# KiCad board PCA20073_Tiny_Board_Panel.kicad_pcb (continued)
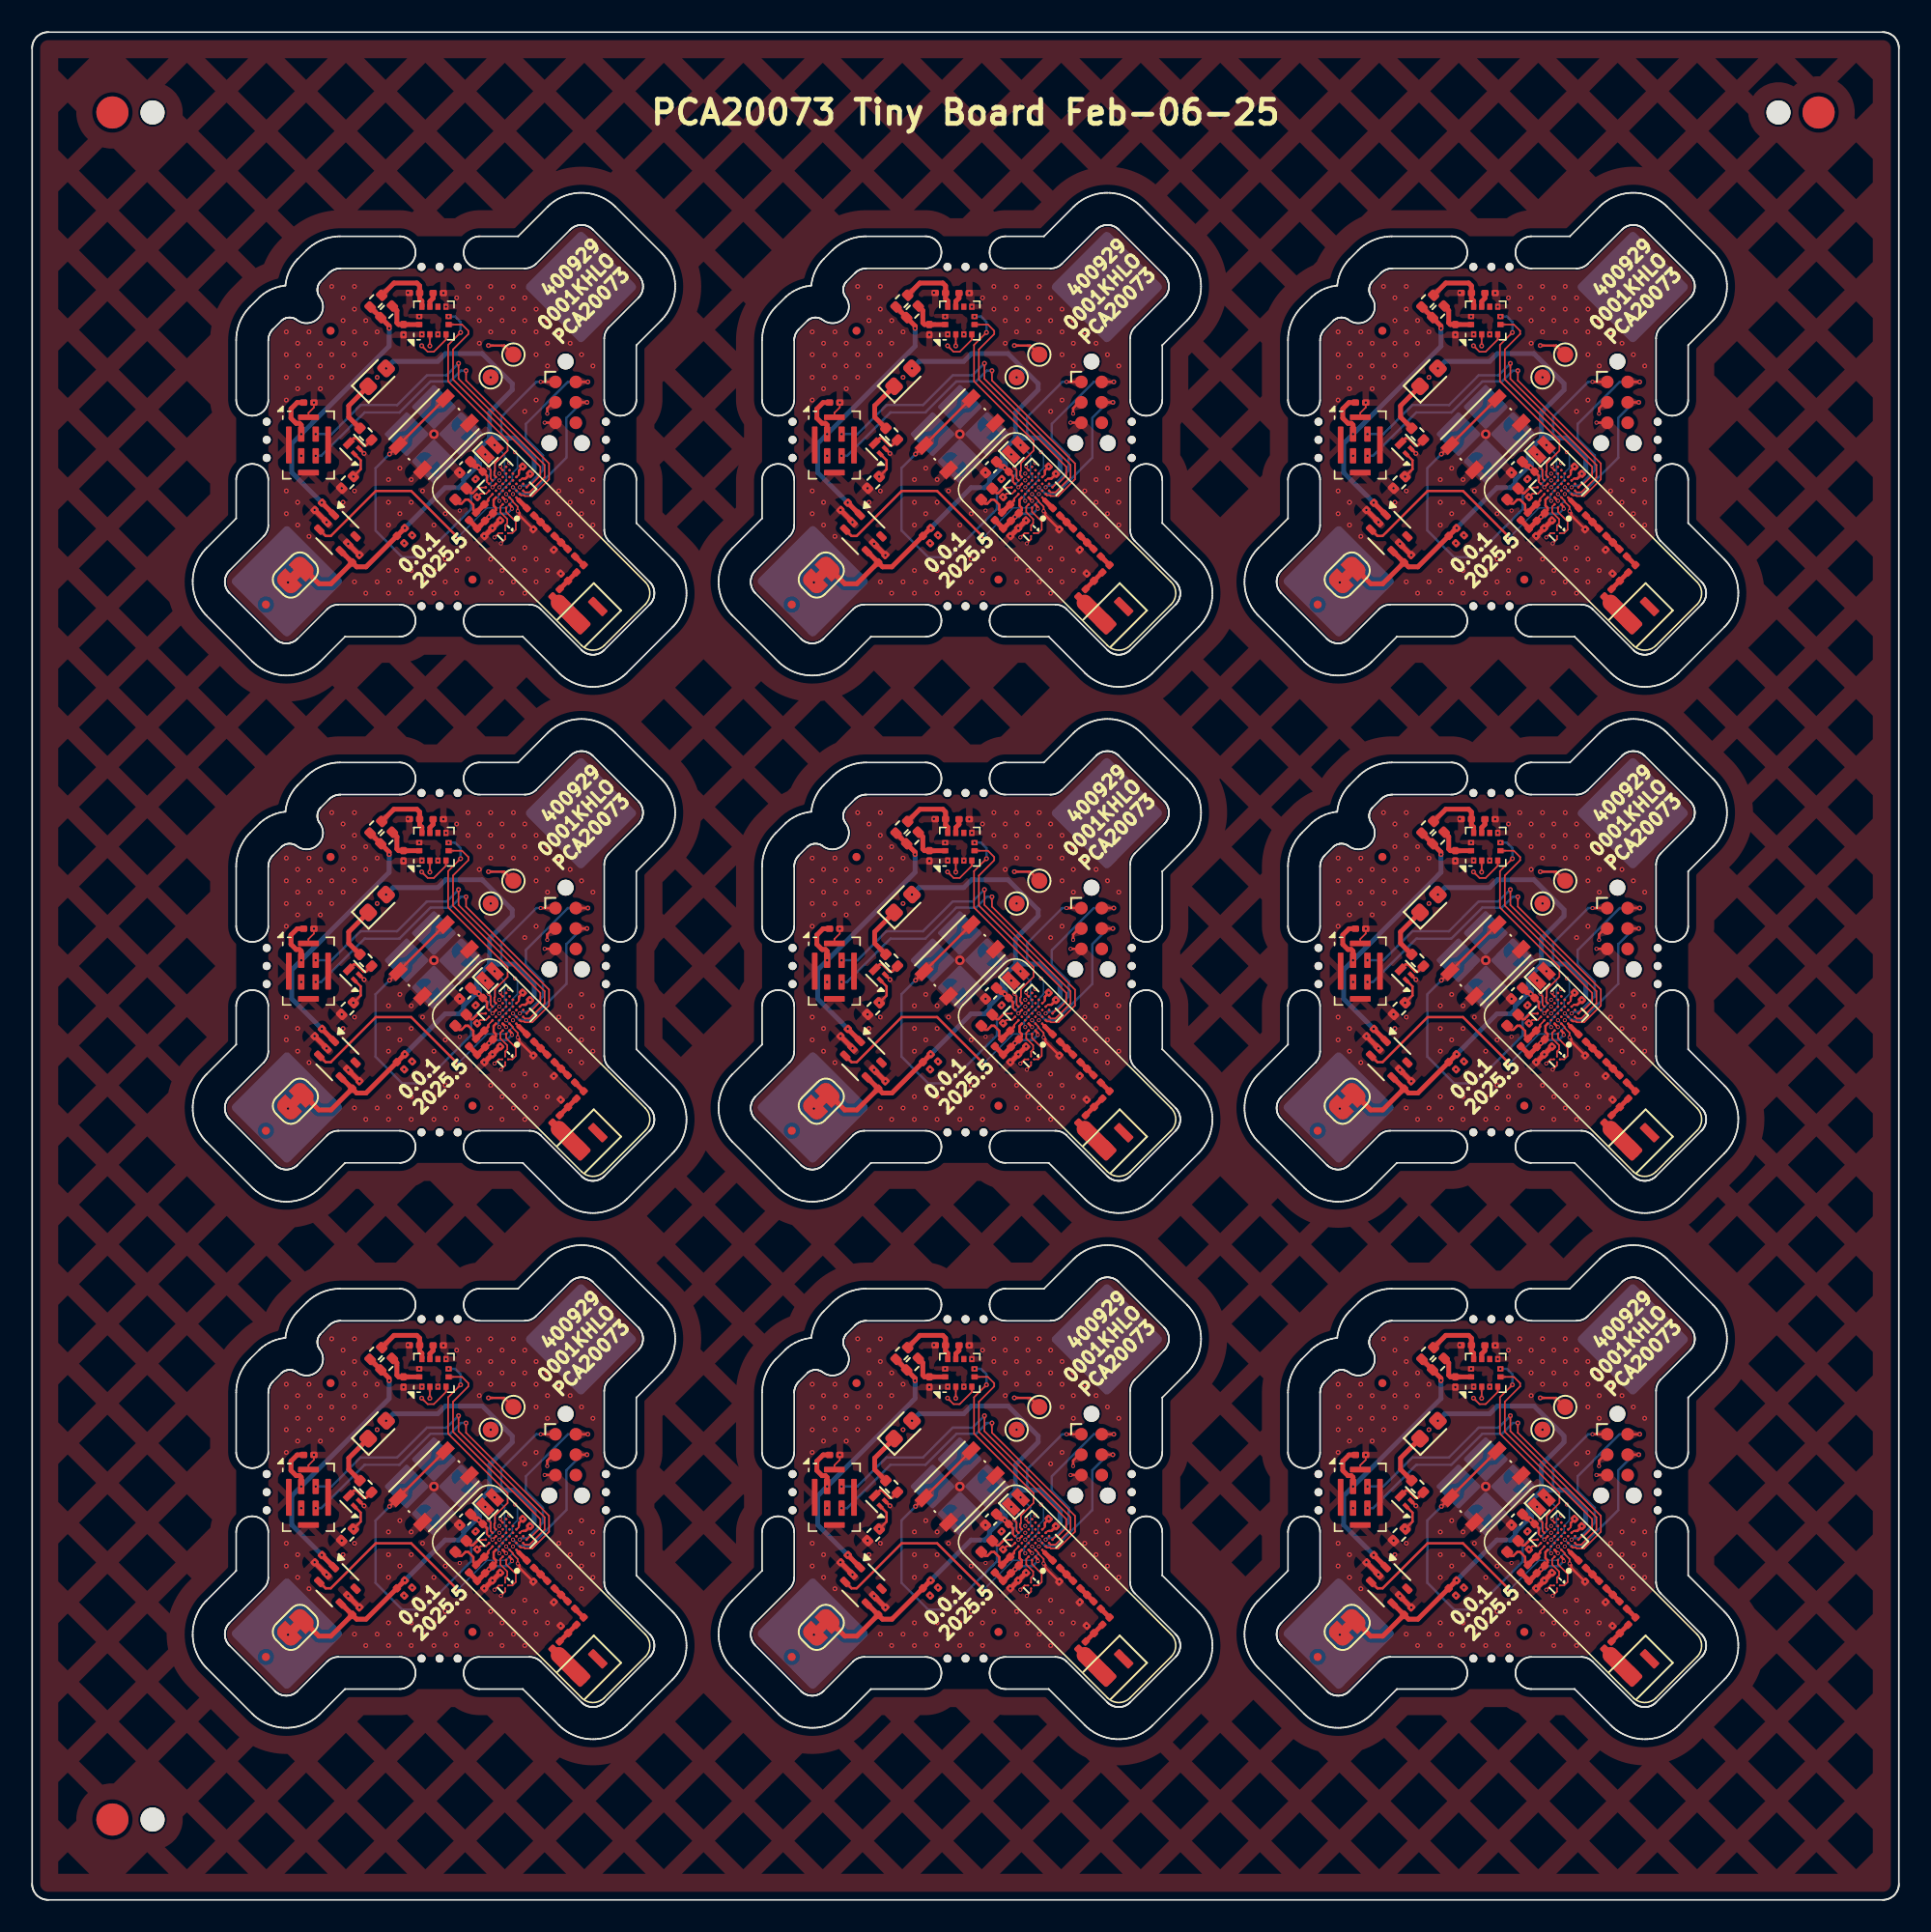
[diagram p0: board, top side]
## Routing (per net, layer and track width the routed paths; a pad name or vN(x,y) marks a point on that pad's centre or on a via; arc(x,y) is an arc through that point) (continued)
Board_6-/LFCLK1: length 2.8
  Top w0.075: 28.67,22.42 28.67,22.4
  Top w0.1: 6U1.C6 v1(28.67,22.42)
  Bottom w0.1: v1(28.67,22.42) 28.54,22.55 28.54,22.67 28.82,22.95 28.82,23.87 v1(28.22,24.46)
Board_6-/LSW: length 16.3
  Top w0.075: v1(29.52,22) 29.52,21.98 29.52,21.98
  Top w0.15: 6U2.3 18.28,19.39 18.6,19.39 21.4,22.19 23.61,22.19 26.39,19.41 v2(26.39,19.19)
  Bottom w0.1: v2(26.39,19.19) 28.34,21.14 29.5,21.14 29.87,21.51 29.87,21.65 v1(29.52,22)
Board_6-/PDM_CLK: length 22.8
  Top w0.1: 6U1.E1 30.44,21.92 30.64,21.92 30.68,21.87 31.15,21.87 32.19,22.91 32.19,23.9 27.02,29.07 v2(27.02,29.68)
  Bottom w0.15: v2(27.02,29.68) 26.7,29.68 26.03,29.01 24.81,29.01 22.88,27.08 20.7,27.08 18,24.38 v1(17.66,24.38)
Board_6-/PDM_DATA: length 21.8
  Top w0.1: 6U1.F1 30.68,22.11 30.97,22.11 31.92,23.05 31.92,23.81 26.56,29.17 v2(26.56,30.13)
  Bottom w0.15: v1(17.66,25.73) 18.64,25.73 20.45,27.54 22.73,27.54 24.58,29.39 25.81,29.39 v2(26.56,30.13)
Board_6-/SCL: length 28.8
  Top w0.075: 29.31,23.47 29.31,23.47 6U1.F7
  Top w0.1: v1(29.15,23.73) 29.15,23.64 6U1.F7 ; v2(24.26,31.23) 24.63,30.85 25.01,30.85 25.77,31.61 6U3.4
  In2.Cu w0.1: 23.54,19.31 23.47,19.24 23.47,19.1 23.68,18.9 23.68,18.57 23.22,18.12 22.66,18.12 21.05,19.72 21.05,27.77 24.26,30.97 v2(24.26,31.23) ; 23.54,19.31 23.79,19.31 23.8,19.3 24.18,19.3 24.46,19.58 26.41,19.58 28.79,21.96 29.06,21.96 29.43,22.33 29.43,23.19 29.36,23.26 29.36,23.53 v1(29.15,23.73) ; 23.54,19.31 v2(23.66,19.43)
  In2.Cu w0.15: v2(23.66,19.43) 23.8,19.3
Board_6-/SDA: length 24.8
  Top w0.1: 6U3.2 24.77,31.22 v2(24.77,31.22) ; 29.09,22.85 29.09,22.83
  In2.Cu w0.1: v2(23.17,18.94) 23.37,18.73 23.37,18.62 23.2,18.44 22.67,18.44 21.35,19.77 21.35,27.66 24.77,31.07 v2(24.77,31.22)
  In2.Cu w0.15: v2(23.17,18.94) 23.03,19.08 23.03,19.25 23.63,19.86 23.63,20.17 25.93,22.47 27.57,22.47 27.95,22.84 29.09,22.84 v1(29.09,22.85)
Board_6-/UART_RX: length 13.6
  Top w0.15: v2(28.41,31.24) 29.4,31.24 6TP2.1
  In2.Cu w0.15: v2(28.41,31.24) 29.4,31.24 30.23,30.42 30.23,24.76 v1(30.08,24.6)
  Bottom w0.1: v1(30.08,24.6) 30.23,24.46 30.23,23.62 29.9,23.3 29.9,22.87 29.2,22.17 29.2,22.1 29.03,21.93 29.03,21.83 29.03,21.89 29.03,21.64 v1(29.09,21.57)
Board_6-/UART_TX: length 7.1
  In2.Cu w0.15: v1(29.09,23.27) 29.08,23.27 28.85,23.5 28.85,23.84 29.9,24.89 29.9,27.92 v2(28.56,29.26)
Board_6-GND: length 11.3
  Top w0.1: v1(17.55,27.69) 17.55,27.39 17.21,27.05 6MK1.5 ; 6U1.A6 28.26,22.02 27.92,22.02 v1(27.71,21.81) ; 6Y2.2 29.46,19.19 v1(29.19,18.93) ; v1(28.79,19.3) 29.06,19.57 6Y2.3 ; v1(30.24,20.93) 30.24,21.22 29.94,21.52 29.94,21.58 6U1.C2 ; 30.15,23.04 30.32,23.2 30.32,23.29
  Top w0.15: v2(31.22,19.8) 30.35,20.67 30.35,20.83 v1(30.24,20.93) ; 30.32,23.29 30.32,23.46 30.59,23.74 30.59,23.75 ; 6J1.5 32.58,26.44 v1(31.92,26.44) ; 19.29,22.33 19.28,22.35 v2(19.28,22.36) ; v2(20.67,24.53) 6Q1.2
  Top w0.3: v2(19.68,18.9) v2(20.39,18.2) ; v1(29.15,20.37) v1(28.67,19.88) ; v1(28.67,19.88) 28.17,19.38 v1(28.16,19.38) ; v1(28.67,19.88) 6C12.2 ; v2(18.34,20.25) 18.34,20.26 v2(17.59,21.01)
  vias: v1(16.76,24.38) v1(26.63,20.97) v1(27.62,22.93) v1(29.72,23.93) v1(30.55,23.71) v2(15.83,32.09) v2(15.83,30.68) v2(15.83,29.26) v2(15.83,27.85) v2(15.83,22.19) v2(15.83,20.78) v2(16.54,31.38) v2(16.54,29.97) v2(16.54,28.56) v2(16.54,21.49) v2(16.54,20.07) v2(17.24,32.09) v2(17.24,30.68) v2(17.24,29.26) v2(17.24,19.36) v2(17.95,31.38) v2(17.95,29.97) v2(17.95,28.56) v2(18.66,34.92) v2(18.66,30.68) v2(18.66,29.26) v2(19.36,34.21) v2(19.36,32.8) v2(19.36,31.38) v2(19.36,29.97) v2(19.36,21.49) v2(20.07,34.92) v2(20.07,33.51) v2(20.07,32.09) v2(20.07,30.68) v2(20.07,22.19) v2(20.07,16.54) v2(20.78,32.8) v2(20.78,31.38) v2(20.78,15.83) v2(21.49,32.09) v2(21.49,29.26) v2(21.49,16.54) v2(22.19,22.9) v2(22.19,21.49) v2(22.19,20.07) v2(22.19,17.24) v2(22.19,15.83) v2(22.9,23.61) v2(22.9,20.78) v2(22.9,16.54) v2(23.13,31.91) v2(23.41,34.53) v2(23.61,22.9) v2(23.61,21.49) v2(23.61,17.24) v2(23.61,15.83) v2(24.11,33.05) v2(24.27,31.94) v2(24.31,22.19) v2(24.31,16.54) v2(25.02,20.07) v2(25.02,17.24) v2(25.02,15.83) v2(25.27,31.94) v2(25.61,34.51) v2(25.77,33.66) v2(25.73,20.78) v2(25.73,17.95) v2(25.73,16.54) v2(26.44,34.21) v2(26.44,17.24) v2(26.44,15.83) v2(26.63,23.33) v2(27.14,34.92) v2(27.14,33.51) v2(27.14,17.95) v2(27.85,34.21) v2(27.85,32.8) v2(27.85,31.38) v2(28.56,34.92) v2(28.56,33.51) v2(28.56,32.09) v2(28.56,17.95) v2(28.56,16.54) v2(29.26,34.21) v2(29.26,32.8) v2(29.26,17.24) v2(29.26,15.83) v2(29.97,34.92) v2(29.97,33.51) v2(29.97,32.09) v2(29.97,17.95) v2(29.97,16.54) v2(30.68,34.21) v2(30.68,32.8) v2(30.68,27.14) v2(30.68,18.66) v2(30.68,17.24) v2(30.68,15.83) v2(31.38,33.51) v2(31.38,32.09) v2(31.38,30.68) v2(31.38,27.85) v2(31.38,17.95) v2(31.38,16.54) v2(32.09,32.8) v2(32.09,31.38) v2(32.09,29.97) v2(32.09,21.49) v2(32.09,17.24) v2(32.49,18.53) v2(32.8,32.09) v2(32.8,22.19) v2(32.8,20.78) v2(32.92,17.05) v2(33.51,31.38) v2(33.51,22.9) v2(33.51,21.49) v2(33.51,20.07) v2(34.21,30.68) v2(34.21,23.61) v2(34.21,22.19) v2(34.21,20.78) v2(34.21,19.36) v2(34.92,29.97) v2(34.92,22.9) v2(34.92,21.49) v2(34.92,20.07) v3(25.02,25.73)
Board_6-Net-(AE1-PCB_Trace): length 1.9
  Top w1: 6AE1.2 32.8,15.23
Board_6-Net-(BT1-+):
  vias: v2(15.93,16.5)
Board_6-Net-(C6-Pad1): length 1.2
  Top w0.293: 31.25,20.67 32.07,19.85
Board_6-Net-(C9-Pad1): length 1.2
  Top w0.293: 32.53,19.4 33.35,18.58
Board_6-Net-(D1-K): length 3.4
  Top w0.3: 6R1.1 19.72,26.79 19.72,27.5 6D1.1
Board_6-Net-(J1-SWCLK): length 9.3
  Top w0.15: 6J1.4 v2(34.55,27.71)
  Bottom w0.15: v2(34.55,27.71) 34.24,27.71 33.27,26.74 33.27,24.26 31.04,22.03 30.33,22.03 29.94,22.42 v1(29.94,22.42)
Board_6-Net-(J1-SWDIO): length 10.9
  Top w0.15: 6J1.2 33.86,28.98 v2(34.61,28.98)
  Bottom w0.15: v1(30.37,22.42) 30.38,22.42 30.48,22.52 30.85,22.52 31.81,23.48 31.81,24.4 30.75,25.46 30.75,26.36 33.36,28.98 v2(34.61,28.98)
Board_6-Net-(J1-~{RESET}): length 8.1
  Top w0.15: 6J1.3 32.45,27.71 32.08,27.34 v1(32.08,27) ; 29.94,21.98 v1(29.94,22)
  In2.Cu w0.15: v1(32.08,27) 31.71,27 31.46,26.75 31.46,25.83 30.97,25.34 30.97,24.6 31.77,23.8 31.77,23.27 30.58,22.08 30.02,22.08 v1(29.94,22)
Board_6-Net-(JP2-A): length 2.6
  Top w0.3: 6JP2.1 22.72,33.42 22.72,32.66 22.82,32.55 6C16.1 23.13,32.55 6U3.12 24.1,32.55
Board_6-Net-(JP3-A): length 4.1
  Top w0.3: 6U3.10 24.27,34.02 24.13,34.15 6C17.1 24.13,34.96 23.96,35.13 22.53,35.13 6JP3.1
Board_6-Net-(L4-Pad2): length 0.8
  Top w0.293: 33.8,18.12 34.34,17.58
Board_6-Net-(L18-Pad1): length 1.5
  Top w0.293: 33.89,17.13 32.85,16.09
Board_6-Net-(Q1-D): length 1.9
  Top w0.15: 6Q1.3 20.04,25.48 20.18,25.48 20.64,25.02 20.79,25.02 6R1.2
Board_6-Net-(U1-ANT): length 0.9
  Top w0.1: 30.3,21.62 30.16,21.77 30.17,21.78
  Top w0.293: 6L2.1 30.3,21.62 30.3,21.62
Board_6-Net-(U1-DCC): length 1.5
  Top w0.1: 28.25,22.4 27.78,22.4 27.76,22.38
  Top w0.15: 6L1.2 27.32,22.07 27.44,22.07 27.76,22.38
Board_6-Net-(U1-DECA): length 5.3
  Top w0.15: 6U1.A4 28.74,21.64 28.74,21.27 28.87,21.14 28.87,20.99 6C5.1 ; v1(29.88,21.08) 29.88,21.2 29.73,21.34
  Top w0.3: 6C5.1 v1(28.45,20.57) 27.72,19.84 6C2.1 27.7,19.88 6FB1.1
  Bottom w0.15: v1(29.88,21.08) 29.57,20.77 28.9,20.77 28.7,20.57 v1(28.45,20.57)
Board_6-Net-(U1-DECD): length 3.6
  Top w0.1: 28.67,21.98 28.4,21.71 28.4,21.65
  Top w0.15: 6L1.1 26.6,21.41 26.74,21.41 26.99,21.65 27.16,21.65 27.47,21.34 27.47,21.01 6FB1.2 ; 28.4,21.65 28.4,21.59 6C1.1
  Top w0.3: 6FB1.2 6C1.1
Board_6-Net-(U1-P1.00): length 3.1
  Top w0.1: 29.09,22.4 29.1,22.41 v1(29.1,22.42)
  Bottom w0.1: v1(29.1,22.42) 29.53,22.86 29.53,23.15 29.43,23.26 29.43,24.42 v1(28.8,25.05)
Board_6-Net-(U1-XC1): length 2.2
  Top w0.1: 6Y2.1 29.64,19.57 29.91,19.57 30.12,19.78 30.12,20.29 29.52,20.89 6U1.A1
Board_6-Net-(U1-XC2): length 1.9
  Top w0.1: 6U1.A2 29.16,21.21 29.16,20.87 29.59,20.44 29.59,20.18 29.46,20.05 6Y2.4
Board_6-Net-(U3-V_{REG_OUT}): length 0.9
  Top w0.3: 6C15.1 24.97,34.19 24.77,33.99 6U3.9
Board_6-unconnected-(U1-P1.03-PadD5): length 0
  Top w0.1: 6U1.D5 29.31,22.62
Board_6-VDD: length 45.3
  Top w0.1: 30.57,22.96 30.5,22.96 30.37,22.83 ; 28.46,22.62 28.32,22.75 28.32,22.82
  Top w0.15: 6J1.1 32.59,28.98 v1(31.67,28.98) ; 30.57,22.96 30.73,22.96 31.05,23.28 31.05,23.3 ; 28.32,22.82 28.32,23.13 6C11.1
  Top w0.3: 6C3.1 20.21,17.47 20.79,17.47 v2(23.21,19.89) ; 6C3.1 18.61,16.42 17.86,16.42 6JP1.2 ; 6C3.1 19.24,18.44 6U2.4 ; 6C11.1 v2(27.82,23.63) 27.73,23.73 27.59,23.73 6C10.1
  Bottom w0.15: 29.47,25.49 29.46,25.49 29.22,25.73 ; 29.22,25.73 29.22,26.8 31.4,28.98 v1(31.67,28.98) ; 29.22,25.73 29.22,25.49 ; 29.22,25.73 29.22,25.69 29.02,25.49
  Bottom w0.3: 28.49,25.87 28.49,25.47 ; 28.49,25.87 28.49,27.07 29.9,28.49 29.9,28.87 28.03,30.74 25.75,30.74 25.26,30.25 22.48,30.25 v2(22.04,29.82) ; 28.49,25.87 28.49,25.79 28.74,25.54 28.74,25.49 ; v2(23.21,19.89) 25.72,22.4 26.58,22.4 26.87,22.68 26.87,22.89 27.61,23.63 ; 27.86,23.9 27.86,23.67 v2(27.82,23.63) 27.61,23.63 ; 27.86,23.9 27.67,24.08 27.67,24.66 28.49,25.47 ; 27.86,23.9 27.86,23.78 27.71,23.63 27.61,23.63 ; 31.06,23.3 31.26,23.49 31.26,24.29 30.05,25.49 28.74,25.49 ; 28.74,25.49 28.51,25.49 28.49,25.47
  vias: v2(31.01,23.26)
Board_7-/BUTTON0: length 21.9
  Top w0.1: v1(61.17,23.66) 61.17,23.62 61.31,23.49 61.31,22.96 7U1.C7
  Top w0.15: v2(55.01,24.49) 7SW1.1 7SW1.1
  Bottom w0.15: v2(55.01,24.49) 54.13,23.61 54.13,19.73 55.8,18.06 57.08,18.06 59.85,20.83 60.08,21.07 60.08,22.02 61.28,23.21 61.28,23.55 v1(61.17,23.66)
Board_7-/INT1: length 14.2
  Top w0.1: 7U1.G1 63.73,22.62 63.85,22.62 64.4,23.16 64.4,23.7 58.96,29.14 58.96,31 59.91,31.96 59.91,32.16 59.52,32.55 7U3.5
Board_7-/INT2: length 12.8
  Top w0.1: 7U1.D7 61.52,23.17 61.52,23.4 61.57,23.45 61.57,23.92 62.36,24.7 62.36,25.31 58.65,29.02 58.65,31.28 v2(59.43,32.06)
  Bottom w0.15: v2(59.43,32.06) 59.43,32.71 59.09,33.05 v2(58.68,33.05)
Board_7-/LED: length 17.8
  Top w0.15: v2(52.75,23.08) 53.21,23.54 53.21,24.1 7Q1.1 ; 7U1.B3 62.27,21.58 v1(62.27,21.57)
  In2.Cu w0.15: v2(52.75,23.08) 53.43,22.4 53.43,19.65 55.27,17.82 56.11,17.82 57.52,19.23 58.48,19.23 58.96,18.75 59.56,18.75 60.52,19.71 60.52,20.43 61.26,21.17 61.87,21.17 v1(62.27,21.57)
Board_7-/LFCLK1: length 2.8
  Top w0.075: 61.42,22.42 61.42,22.4
  Top w0.1: 7U1.C6 v1(61.42,22.42)
  Bottom w0.1: v1(60.97,24.46) 61.57,23.87 61.57,22.95 61.29,22.67 61.29,22.55 v1(61.42,22.42)
Board_7-/LSW: length 16.3
  Top w0.075: v1(62.27,22) 62.27,21.98
  Top w0.15: v2(59.13,19.19) 59.13,19.41 56.36,22.19 54.15,22.19 51.35,19.39 51.02,19.39 7U2.3
  Bottom w0.1: v2(59.13,19.19) 61.09,21.14 62.25,21.14 62.62,21.51 62.62,21.65 v1(62.27,22)
Board_7-/PDM_CLK: length 22.8
  Top w0.1: v2(59.77,29.68) 59.77,29.07 64.94,23.9 64.94,22.91 63.9,21.87 63.43,21.87 63.38,21.92 63.19,21.92 7U1.E1
  Bottom w0.15: v2(59.77,29.68) 59.45,29.68 58.78,29.01 57.56,29.01 55.63,27.08 53.45,27.08 50.75,24.38 v1(50.41,24.38)
Board_7-/PDM_DATA: length 21.8
  Top w0.1: 7U1.F1 63.43,22.11 63.72,22.11 64.66,23.05 64.66,23.81 59.3,29.17 v2(59.3,30.13)
  Bottom w0.15: v1(50.41,25.73) 51.39,25.73 53.2,27.54 55.48,27.54 57.33,29.39 58.56,29.39 v2(59.3,30.13)
Board_7-/SCL: length 28.8
  Top w0.075: 62.05,23.47 62.06,23.47 7U1.F7
  Top w0.1: 7U3.4 58.52,31.61 57.76,30.85 57.38,30.85 v2(57.01,31.23) ; 7U1.F7 61.9,23.64 v1(61.9,23.73)
  In2.Cu w0.1: v2(56.41,19.43) 56.28,19.31 ; 56.28,19.31 56.22,19.24 56.22,19.1 56.43,18.9 56.43,18.57 55.97,18.12 55.41,18.12 53.8,19.72 53.8,27.77 57.01,30.97 v2(57.01,31.23) ; 56.28,19.31 56.54,19.31 56.55,19.3 56.93,19.3 57.2,19.58 59.16,19.58 61.54,21.96 61.81,21.96 62.17,22.33 62.17,23.19 62.11,23.26 62.11,23.53 v1(61.9,23.73)
  In2.Cu w0.15: v2(56.41,19.43) 56.55,19.3
Board_7-/SDA: length 24.8
  Top w0.1: v1(61.84,22.85) 61.84,22.83 ; 7U3.2 57.52,31.22 v2(57.51,31.22)
  In2.Cu w0.1: v2(55.92,18.94) 56.12,18.73 56.12,18.62 55.95,18.44 55.42,18.44 54.1,19.77 54.1,27.66 57.51,31.07 v2(57.51,31.22)
  In2.Cu w0.15: v1(61.84,22.85) 61.84,22.84 60.7,22.84 60.32,22.47 58.68,22.47 56.38,20.17 56.38,19.86 55.78,19.25 55.78,19.08 v2(55.92,18.94)
Board_7-/UART_RX: length 13.6
  Top w0.15: 7TP2.1 62.15,31.24 v2(61.16,31.24)
  In2.Cu w0.15: v1(62.83,24.6) 62.98,24.76 62.98,30.42 62.15,31.24 v2(61.16,31.24)
  Bottom w0.1: v1(61.84,21.57) 61.78,21.64 61.78,21.89 61.78,21.83 61.78,21.93 61.95,22.1 61.95,22.17 62.65,22.87 62.65,23.3 62.97,23.62 62.97,24.46 v1(62.83,24.6)
Board_7-/UART_TX: length 7.1
  In2.Cu w0.15: v2(61.31,29.26) 62.65,27.92 62.65,24.89 61.59,23.84 61.59,23.5 61.83,23.27 v1(61.84,23.27)
Board_7-GND: length 11.3
  Top w0.1: 7U1.C2 62.68,21.58 62.68,21.52 62.99,21.22 v1(62.99,20.93) ; v1(61.94,18.93) 62.21,19.19 7Y2.2 ; 63.07,23.29 63.07,23.2 62.9,23.04 ; 7Y2.3 61.8,19.57 v1(61.54,19.3) ; v1(60.46,21.81) 60.67,22.02 61.01,22.02 7U1.A6 ; 7MK1.5 49.96,27.05 50.3,27.39 v1(50.3,27.69)
  Top w0.15: 63.34,23.75 63.34,23.74 63.07,23.46 63.07,23.29 ; 7J1.5 65.33,26.44 v1(64.66,26.44) ; v2(53.42,24.53) 7Q1.2 ; 52.04,22.33 52.03,22.35 v2(52.03,22.36) ; v1(62.99,20.93) 63.09,20.83 63.09,20.67 v2(63.96,19.8)
  Top w0.3: v1(60.9,19.38) 60.92,19.38 v1(61.41,19.88) ; v1(61.41,19.88) v1(61.9,20.37) ; v1(61.41,19.88) 7C12.2 ; v2(50.34,21.01) 51.09,20.26 v2(51.09,20.25) ; v2(52.43,18.9) v2(53.14,18.2)
  vias: v1(49.51,24.38) v1(59.37,20.97) v1(60.37,22.93) v1(62.46,23.93) v1(63.3,23.71) v2(48.58,32.09) v2(48.58,30.68) v2(48.58,29.26) v2(48.58,27.85) v2(48.58,22.19) v2(48.58,20.78) v2(49.28,31.38) v2(49.28,29.97) v2(49.28,28.56) v2(49.28,21.49) v2(49.28,20.07) v2(49.99,32.09) v2(49.99,30.68) v2(49.99,29.26) v2(49.99,19.36) v2(50.7,31.38) v2(50.7,29.97) v2(50.7,28.56) v2(51.41,34.92) v2(51.41,30.68) v2(51.41,29.26) v2(52.11,34.21) v2(52.11,32.8) v2(52.11,31.38) v2(52.11,29.97) v2(52.11,21.49) v2(52.82,34.92) v2(52.82,33.51) v2(52.82,32.09) v2(52.82,30.68) v2(52.82,22.19) v2(52.82,16.54) v2(53.53,32.8) v2(53.53,31.38) v2(53.53,15.83) v2(54.23,32.09) v2(54.23,29.26) v2(54.23,16.54) v2(54.94,22.9) v2(54.94,21.49) v2(54.94,20.07) v2(54.94,17.24) v2(54.94,15.83) v2(55.65,23.61) v2(55.65,20.78) v2(55.65,16.54) v2(55.87,31.91) v2(56.16,34.53) v2(56.36,22.9) v2(56.36,21.49) v2(56.36,17.24) v2(56.36,15.83) v2(56.86,33.05) v2(57.02,31.94) v2(57.06,22.19) v2(57.06,16.54) v2(57.77,20.07) v2(57.77,17.24) v2(57.77,15.83) v2(58.02,31.94) v2(58.36,34.51) v2(58.52,33.66) v2(58.48,20.78) v2(58.48,17.95) v2(58.48,16.54) v2(59.18,34.21) v2(59.18,17.24) v2(59.18,15.83) v2(59.37,23.33) v2(59.89,34.92) v2(59.89,33.51) v2(59.89,17.95) v2(60.6,34.21) v2(60.6,32.8) v2(60.6,31.38) v2(61.31,34.92) v2(61.31,33.51) v2(61.31,32.09) v2(61.31,17.95) v2(61.31,16.54) v2(62.01,34.21) v2(62.01,32.8) v2(62.01,17.24) v2(62.01,15.83) v2(62.72,34.92) v2(62.72,33.51) v2(62.72,32.09) v2(62.72,17.95) v2(62.72,16.54) v2(63.43,34.21) v2(63.43,32.8) v2(63.43,27.14) v2(63.43,18.66) v2(63.43,17.24) v2(63.43,15.83) v2(64.13,33.51) v2(64.13,32.09) v2(64.13,30.68) v2(64.13,27.85) v2(64.13,17.95) v2(64.13,16.54) v2(64.84,32.8) v2(64.84,31.38) v2(64.84,29.97) v2(64.84,21.49) v2(64.84,17.24) v2(65.24,18.53) v2(65.55,32.09) v2(65.55,22.19) v2(65.55,20.78) v2(65.67,17.05) v2(66.25,31.38) v2(66.25,22.9) v2(66.25,21.49) v2(66.25,20.07) v2(66.96,30.68) v2(66.96,23.61) v2(66.96,22.19) v2(66.96,20.78) v2(66.96,19.36) v2(67.67,29.97) v2(67.67,22.9) v2(67.67,21.49) v2(67.67,20.07) v3(57.77,25.73)
Board_7-Net-(AE1-PCB_Trace): length 1.9
  Top w1: 7AE1.2 65.55,15.23
Board_7-Net-(BT1-+):
  vias: v2(48.68,16.5)
Board_7-Net-(C6-Pad1): length 1.2
  Top w0.293: 64,20.67 64.82,19.85
Board_7-Net-(C9-Pad1): length 1.2
  Top w0.293: 65.28,19.4 66.1,18.58
Board_7-Net-(D1-K): length 3.4
  Top w0.3: 7R1.1 52.47,26.79 52.47,27.5 7D1.1
Board_7-Net-(J1-SWCLK): length 9.3
  Top w0.15: 7J1.4 v2(67.3,27.71)
  Bottom w0.15: v2(67.3,27.71) 66.99,27.71 66.02,26.74 66.02,24.26 63.79,22.03 63.08,22.03 62.69,22.42 v1(62.69,22.42)
Board_7-Net-(J1-SWDIO): length 10.9
  Top w0.15: v2(67.36,28.98) 66.61,28.98 7J1.2
  Bottom w0.15: v1(63.12,22.42) 63.13,22.42 63.23,22.52 63.6,22.52 64.56,23.48 64.56,24.4 63.5,25.46 63.5,26.36 66.11,28.98 v2(67.36,28.98)
Board_7-Net-(J1-~{RESET}): length 8.1
  Top w0.15: v1(64.83,27) 64.83,27.34 65.19,27.71 7J1.3 ; 62.69,21.98 v1(62.69,22)
  In2.Cu w0.15: v1(62.69,22) 62.77,22.08 63.33,22.08 64.52,23.27 64.52,23.8 63.72,24.6 63.72,25.34 64.2,25.83 64.2,26.75 64.46,27 v1(64.83,27)
Board_7-Net-(JP2-A): length 2.6
  Top w0.3: 56.85,32.55 7U3.12 55.88,32.55 7C16.1 55.57,32.55 55.46,32.66 55.46,33.42 7JP2.1
Board_7-Net-(JP3-A): length 4.1
  Top w0.3: 7JP3.1 55.28,35.13 56.71,35.13 56.88,34.96 7C17.1 56.88,34.15 57.02,34.02 7U3.10
Board_7-Net-(L4-Pad2): length 0.8
  Top w0.293: 66.55,18.12 67.09,17.58
Board_7-Net-(L18-Pad1): length 1.5
  Top w0.293: 66.64,17.13 65.6,16.09
Board_7-Net-(Q1-D): length 1.9
  Top w0.15: 7Q1.3 52.78,25.48 52.93,25.48 53.39,25.02 53.54,25.02 7R1.2
Board_7-Net-(U1-ANT): length 0.9
  Top w0.1: 63.05,21.62 62.91,21.77 62.91,21.78
  Top w0.293: 7L2.1 63.05,21.62 63.05,21.62
Board_7-Net-(U1-DCC): length 1.5
  Top w0.1: 60.51,22.38 60.53,22.4 60.99,22.4
  Top w0.15: 60.51,22.38 60.19,22.07 60.07,22.07 7L1.2
Board_7-Net-(U1-DECA): length 5.3
  Top w0.15: 62.48,21.34 62.63,21.2 v1(62.63,21.08) ; 7U1.A4 61.49,21.64 61.49,21.27 61.62,21.14 61.62,20.99 7C5.1
  Top w0.3: 7FB1.1 60.45,19.88 7C2.1 60.47,19.84 v1(61.2,20.57) 7C5.1
  Bottom w0.15: v1(62.63,21.08) 62.32,20.77 61.65,20.77 61.45,20.57 v1(61.2,20.57)
Board_7-Net-(U1-DECD): length 3.6
  Top w0.1: 61.15,21.65 61.15,21.71 61.42,21.98
  Top w0.15: 7L1.1 59.35,21.41 59.49,21.41 59.74,21.65 59.9,21.65 60.22,21.34 60.22,21.01 7FB1.2 ; 7C1.1 61.15,21.59 61.15,21.65
  Top w0.3: 7FB1.2 7C1.1
Board_7-Net-(U1-P1.00): length 3.1
  Top w0.1: v1(61.84,22.42) 61.85,22.41 61.84,22.4
  Bottom w0.1: v1(61.84,22.42) 62.28,22.86 62.28,23.15 62.17,23.26 62.17,24.42 v1(61.55,25.05)
Board_7-Net-(U1-XC1): length 2.2
  Top w0.1: 7Y2.1 62.39,19.57 62.66,19.57 62.87,19.78 62.87,20.29 62.27,20.89 7U1.A1
Board_7-Net-(U1-XC2): length 1.9
  Top w0.1: 7U1.A2 61.91,21.21 61.91,20.87 62.34,20.44 62.34,20.18 62.21,20.05 7Y2.4
Board_7-Net-(U3-V_{REG_OUT}): length 0.9
  Top w0.3: 7U3.9 57.52,33.99 57.72,34.19 7C15.1
Board_7-unconnected-(U1-P1.03-PadD5): length 0
  Top w0.1: 62.06,22.63 62.06,22.62 62.06,22.62
Board_7-VDD: length 45.3
  Top w0.1: 63.32,22.96 63.25,22.96 63.12,22.83 ; 61.21,22.62 61.07,22.75 61.07,22.82
  Top w0.15: 63.32,22.96 63.48,22.96 63.8,23.28 63.8,23.3 ; 7C11.1 61.07,23.13 61.07,22.82 ; 7J1.1 65.33,28.98 v1(64.42,28.98)
  Top w0.3: 7JP1.2 50.61,16.42 51.36,16.42 7C3.1 ; v2(55.96,19.89) 53.54,17.47 52.96,17.47 7C3.1 ; 7C11.1 v2(60.57,23.63) 60.48,23.73 60.34,23.73 7C10.1 ; 7C3.1 51.99,18.44 7U2.4
  Bottom w0.15: 61.97,25.73 62.21,25.49 62.22,25.49 ; 61.97,25.73 61.97,26.8 64.15,28.98 v1(64.42,28.98) ; 61.97,25.73 61.97,25.69 61.77,25.49 ; 61.97,25.73 61.97,25.49
  Bottom w0.3: 61.23,25.87 61.23,25.47 ; 61.23,25.87 61.23,27.07 62.65,28.49 62.65,28.87 60.77,30.74 58.5,30.74 58.01,30.25 55.22,30.25 v2(54.79,29.82) ; 61.23,25.87 61.23,25.79 61.49,25.54 61.49,25.49 ; 61.49,25.49 62.8,25.49 64.01,24.29 64.01,23.49 63.81,23.3 ; 61.49,25.49 61.26,25.49 61.23,25.47 ; 61.23,25.47 60.42,24.66 60.42,24.08 60.61,23.9 ; 60.36,23.63 v2(60.57,23.63) 60.61,23.67 60.61,23.9 ; 60.36,23.63 60.46,23.63 60.61,23.78 60.61,23.9 ; 60.36,23.63 59.62,22.89 59.62,22.68 59.33,22.4 58.47,22.4 v2(55.96,19.89)
  vias: v2(63.76,23.26)
Board_8-/BUTTON0: length 21.9
  Top w0.1: v1(93.92,23.66) 93.92,23.62 94.05,23.49 94.05,22.96 8U1.C7
  Top w0.15: 8SW1.1 8SW1.1 v2(87.76,24.49)
  Bottom w0.15: v2(87.76,24.49) 86.88,23.61 86.88,19.73 88.55,18.06 89.83,18.06 92.6,20.83 92.83,21.07 92.83,22.02 94.03,23.21 94.03,23.55 v1(93.92,23.66)
Board_8-/INT1: length 14.2
  Top w0.1: 8U1.G1 96.48,22.62 96.6,22.62 97.14,23.16 97.14,23.7 91.71,29.14 91.71,31 92.66,31.96 92.66,32.16 92.27,32.55 8U3.5
Board_8-/INT2: length 12.8
  Top w0.1: 8U1.D7 94.27,23.17 94.27,23.4 94.32,23.45 94.32,23.92 95.11,24.7 95.11,25.31 91.4,29.02 91.4,31.28 v2(92.18,32.06)
  Bottom w0.15: v2(91.43,33.05) 91.84,33.05 92.18,32.71 v2(92.18,32.06)
Board_8-/LED: length 17.8
  Top w0.15: v1(95.01,21.57) 95.01,21.58 8U1.B3 ; 8Q1.1 85.96,24.1 85.96,23.54 v2(85.5,23.08)
  In2.Cu w0.15: v1(95.01,21.57) 94.61,21.17 94.01,21.17 93.27,20.43 93.27,19.71 92.31,18.75 91.71,18.75 91.23,19.23 90.27,19.23 88.86,17.82 88.02,17.82 86.18,19.65 86.18,22.4 v2(85.5,23.08)
Board_8-/LFCLK1: length 2.8
  Top w0.075: 94.17,22.42 94.17,22.4
  Top w0.1: 8U1.C6 v1(94.17,22.42)
  Bottom w0.1: v1(94.17,22.42) 94.04,22.55 94.04,22.67 94.32,22.95 94.32,23.87 v1(93.72,24.46)
Board_8-/LSW: length 16.3
  Top w0.075: v1(95.02,22) 95.02,21.98 95.02,21.98
  Top w0.15: v2(91.88,19.19) 91.88,19.41 89.1,22.19 86.9,22.19 84.1,19.39 83.77,19.39 8U2.3
  Bottom w0.1: v2(91.88,19.19) 93.83,21.14 94.99,21.14 95.37,21.51 95.37,21.65 v1(95.02,22)
Board_8-/PDM_CLK: length 22.8
  Top w0.1: v2(92.52,29.68) 92.52,29.07 97.69,23.9 97.69,22.91 96.65,21.87 96.18,21.87 96.13,21.92 95.94,21.92 8U1.E1
  Bottom w0.15: v2(92.52,29.68) 92.2,29.68 91.53,29.01 90.31,29.01 88.38,27.08 86.2,27.08 83.5,24.38 v1(83.16,24.38)
Board_8-/PDM_DATA: length 21.8
  Top w0.1: v2(92.05,30.13) 92.05,29.17 97.41,23.81 97.41,23.05 96.47,22.11 96.18,22.11 8U1.F1
  Bottom w0.15: v2(92.05,30.13) 91.31,29.39 90.08,29.39 88.23,27.54 85.95,27.54 84.14,25.73 v1(83.16,25.73)
Board_8-/SCL: length 28.8
  Top w0.075: 8U1.F7 94.8,23.47 94.8,23.47
  Top w0.1: v2(89.75,31.23) 90.13,30.85 90.51,30.85 91.27,31.61 8U3.4 ; 8U1.F7 94.65,23.64 v1(94.65,23.73)
  In2.Cu w0.1: v1(94.65,23.73) 94.86,23.53 94.86,23.26 94.92,23.19 94.92,22.33 94.56,21.96 94.29,21.96 91.9,19.58 89.95,19.58 89.68,19.3 89.29,19.3 89.29,19.31 89.03,19.31 ; v2(89.16,19.43) 89.03,19.31 ; 89.03,19.31 88.97,19.24 88.97,19.1 89.17,18.9 89.17,18.57 88.72,18.12 88.16,18.12 86.55,19.72 86.55,27.77 89.75,30.97 v2(89.75,31.23)
  In2.Cu w0.15: v2(89.16,19.43) 89.29,19.3
Board_8-/SDA: length 24.8
  Top w0.1: v1(94.59,22.85) 94.59,22.83 ; v2(90.26,31.22) 90.27,31.22 8U3.2
  In2.Cu w0.1: v2(88.67,18.94) 88.87,18.73 88.87,18.62 88.69,18.44 88.17,18.44 86.85,19.77 86.85,27.66 90.26,31.07 v2(90.26,31.22)
  In2.Cu w0.15: v1(94.59,22.85) 94.59,22.84 93.45,22.84 93.07,22.47 91.43,22.47 89.13,20.17 89.13,19.86 88.52,19.25 88.52,19.08 v2(88.67,18.94)
Board_8-/UART_RX: length 13.6
  Top w0.15: v2(93.91,31.24) 94.9,31.24 8TP2.1
  In2.Cu w0.15: v1(95.57,24.6) 95.73,24.76 95.73,30.42 94.9,31.24 v2(93.91,31.24)
  Bottom w0.1: v1(95.57,24.6) 95.72,24.46 95.72,23.62 95.4,23.3 95.4,22.87 94.7,22.17 94.7,22.1 94.53,21.93 94.53,21.83 94.53,21.89 94.53,21.64 v1(94.59,21.57)
Board_8-/UART_TX: length 7.1
  In2.Cu w0.15: v1(94.59,23.27) 94.57,23.27 94.34,23.5 94.34,23.84 95.4,24.89 95.4,27.92 v2(94.05,29.26)
Board_8-GND: length 11.3
  Top w0.1: 8U1.C2 95.43,21.58 95.43,21.52 95.74,21.22 v1(95.74,20.93) ; v1(94.29,19.3) 94.55,19.57 8Y2.3 ; 8U1.A6 93.76,22.02 93.42,22.02 v1(93.21,21.81) ; 8MK1.5 82.71,27.05 83.05,27.39 v1(83.05,27.69) ; 95.81,23.29 95.81,23.2 95.65,23.04 ; 8Y2.2 94.95,19.19 v1(94.69,18.93)
  Top w0.15: v1(97.41,26.44) 98.08,26.44 8J1.5 ; 95.81,23.29 95.81,23.46 96.09,23.74 96.09,23.75 ; v2(84.78,22.36) 84.78,22.35 84.79,22.33 ; v2(86.17,24.53) 8Q1.2 ; v1(95.74,20.93) 95.84,20.83 95.84,20.67 v2(96.71,19.8)
  Top w0.3: v1(94.16,19.88) 93.67,19.38 v1(93.65,19.38) ; v1(94.16,19.88) v1(94.65,20.37) ; v1(94.16,19.88) 8C12.2 ; v2(83.84,20.25) 83.84,20.26 v2(83.09,21.01) ; v2(85.18,18.9) v2(85.89,18.2)
  vias: v1(82.26,24.38) v1(92.12,20.97) v1(93.12,22.93) v1(95.21,23.93) v1(96.05,23.71) v2(81.33,32.09) v2(81.33,30.68) v2(81.33,29.26) v2(81.33,27.85) v2(81.33,22.19) v2(81.33,20.78) v2(82.03,31.38) v2(82.03,29.97) v2(82.03,28.56) v2(82.03,21.49) v2(82.03,20.07) v2(82.74,32.09) v2(82.74,30.68) v2(82.74,29.26) v2(82.74,19.36) v2(83.45,31.38) v2(83.45,29.97) v2(83.45,28.56) v2(84.15,34.92) v2(84.15,30.68) v2(84.15,29.26) v2(84.86,34.21) v2(84.86,32.8) v2(84.86,31.38) v2(84.86,29.97) v2(84.86,21.49) v2(85.57,34.92) v2(85.57,33.51) v2(85.57,32.09) v2(85.57,30.68) v2(85.57,22.19) v2(85.57,16.54) v2(86.28,32.8) v2(86.28,31.38) v2(86.28,15.83) v2(86.98,32.09) v2(86.98,29.26) v2(86.98,16.54) v2(87.69,22.9) v2(87.69,21.49) v2(87.69,20.07) v2(87.69,17.24) v2(87.69,15.83) v2(88.4,23.61) v2(88.4,20.78) v2(88.4,16.54) v2(88.62,31.91) v2(88.9,34.53) v2(89.1,22.9) v2(89.1,21.49) v2(89.1,17.24) v2(89.1,15.83) v2(89.6,33.05) v2(89.77,31.94) v2(89.81,22.19) v2(89.81,16.54) v2(90.52,20.07) v2(90.52,17.24) v2(90.52,15.83) v2(90.77,31.94) v2(91.11,34.51) v2(91.27,33.66) v2(91.23,20.78) v2(91.23,17.95) v2(91.23,16.54) v2(91.93,34.21) v2(91.93,17.24) v2(91.93,15.83) v2(92.12,23.33) v2(92.64,34.92) v2(92.64,33.51) v2(92.64,17.95) v2(93.35,34.21) v2(93.35,32.8) v2(93.35,31.38) v2(94.05,34.92) v2(94.05,33.51) v2(94.05,32.09) v2(94.05,17.95) v2(94.05,16.54) v2(94.76,34.21) v2(94.76,32.8) v2(94.76,17.24) v2(94.76,15.83) v2(95.47,34.92) v2(95.47,33.51) v2(95.47,32.09) v2(95.47,17.95) v2(95.47,16.54) v2(96.18,34.21) v2(96.18,32.8) v2(96.18,27.14) v2(96.18,18.66) v2(96.18,17.24) v2(96.18,15.83) v2(96.88,33.51) v2(96.88,32.09) v2(96.88,30.68) v2(96.88,27.85) v2(96.88,17.95) v2(96.88,16.54) v2(97.59,32.8) v2(97.59,31.38) v2(97.59,29.97) v2(97.59,21.49) v2(97.59,17.24) v2(97.99,18.53) v2(98.3,32.09) v2(98.3,22.19) v2(98.3,20.78) v2(98.42,17.05) v2(99,31.38) v2(99,22.9) v2(99,21.49) v2(99,20.07) v2(99.71,30.68) v2(99.71,23.61) v2(99.71,22.19) v2(99.71,20.78) v2(99.71,19.36) v2(100.42,29.97) v2(100.42,22.9) v2(100.42,21.49) v2(100.42,20.07) v3(90.52,25.73)
